# KiCad board demomatrix.kicad_pcb (continued)
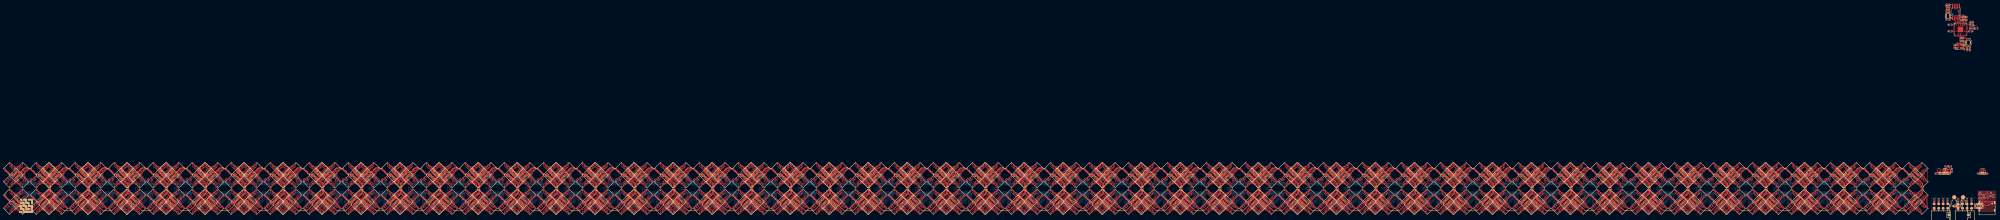
[diagram p0: board, top side]
## Routing (per net, layer and track width the routed paths; a pad name or vN(x,y) marks a point on that pad's centre or on a via; arc(x,y) is an arc through that point) (continued)
  Top w0.2: LED620.1 -403.25,1.21 v1(-403.23,1.21)
  Bottom w0.2: v1(-403.23,1.21) -401.54,1.21 -399.86,2.89 -393.39,2.89 -389.37,6.91 -389.37,9.65 -389.27,9.75 -389.27,10.46 U191.17
rgbs[3]-cathodes-cathode-500: length 19.3
  Top w0.2: LED620.3 -402.51,2.17 v1(-402.44,2.17)
  Bottom w0.2: v1(-402.44,2.17) -401.15,2.17 -400.02,3.29 -393.56,3.29 -389.97,6.88 U191.18
rgbs[3]-cathodes-cathode-501: length 17.6
  Top w0.2: LED620.5 -401.6,2.96 v1(-401.6,2.94)
  Bottom w0.2: U191.19 -390.61,6.81 -393.72,3.69 -400.19,3.69 -400.94,2.94 v1(-401.6,2.94)
rgbs[3]-cathodes-cathode-502: length 15.2
  Top w0.2: -401.43,4.48 -400.95,4 v1(-400.89,4)
  Bottom w0.2: U191.20 -391.24,6.74 -393.89,4.09 -400.8,4.09 v1(-400.89,4)
rgbs[3]-cathodes-cathode-503: length 17.3
  Top w0.2: v1(-402.38,16.92) -402.38,17.03 LED612.3
  Bottom w0.2: U191.6 -390.61,17.02 -393.88,20.29 -398,20.29 -400.2,18.09 -400.62,18.09 -400.62,18.09 -400.93,18.09 -401.19,17.83 -401.19,17.83 -401.54,17.48 -401.92,17.09 -402.21,17.09 v1(-402.38,16.92)
rgbs[3]-cathodes-cathode-504: length 16.9
  Top w0.2: LED612.5 -401.79,18.14 v1(-401.79,18.08)
  Bottom w0.2: v1(-401.79,18.08) -401.65,17.94 -401.1,18.49 -400.79,18.49 -400.7,18.49 -400.37,18.49 -398.16,20.69 -393.71,20.69 -389.97,16.95 U191.7
rgbs[3]-cathodes-cathode-505: length 16.1
  Top w0.2: -401.43,19.48 -401.04,19.09 v1(-401.04,19.09)
  Bottom w0.2: v1(-401.04,19.09) -400.84,18.89 -400.53,18.89 -398.33,21.09 -393.55,21.09 -389.34,16.89 U191.8
rgbs[3]-cathodes-cathode-506: length 4.1
  Top w0.2: LED616.1 -389.26,17.66 v1(-389.81,18.21)
  Bottom w0.2: v1(-389.81,18.21) -388.7,17.1 U191.9
rgbs[3]-cathodes-cathode-507: length 4.5
  Top w0.2: LED616.3 -389.07,18.72 v1(-389.2,18.72)
  Bottom w0.2: v1(-389.2,18.72) -388.07,17.59 U191.10
rgbs[3]-cathodes-cathode-508: length 3.2
  Top w0.2: LED616.5 -387.42,18.78 v1(-387.42,17.52)
  Bottom w0.2: v1(-387.42,17.52) -387.43,17.51 U191.11
rgbs[3]-cathodes-cathode-509: length 3.7
  Top w0.2: -386.53,19.33 -386.53,18.27 v1(-386.79,18.01)
  Bottom w0.2: v1(-386.79,18.01) -386.8,18 U191.12
rgbs[3]-cathodes-cathode-510: length 7.9
  Top w0.2: LED624.7 -386.72,4.74 v1(-385.98,4)
  Bottom w0.2: v1(-385.98,4) -386.8,4.82 U191.13
rgbs[3]-cathodes-cathode-511: length 8.7
  Top w0.2: LED624.5 -386.9,3.25 v1(-386.9,3.1)
  Bottom w0.2: U191.14 -387.43,3.64 v1(-386.9,3.1)
rgbs[3]-cathodes-cathode-512: length 17.9
  Top w0.2: LED628.1 -380.85,15.8 v1(-380.77,15.8)
  Bottom w0.2: -380.58,15.87 -380.65,15.8 ; -380.65,15.8 -380.13,16.32 -380.13,16.32 -379.78,16.67 -379.78,16.68 -379.37,17.08 -379.14,17.31 -378.79,17.66 -378.79,17.67 -378.77,17.69 -378.46,17.69 -378.37,17.69 -378.03,17.69 -375.83,19.89 -372.04,19.89 -369.24,17.09 -369.24,16.89 U196.5 ; -380.65,15.8 v1(-380.77,15.8)
rgbs[3]-cathodes-cathode-513: length 9.4
  Top w0.2: LED640.3 -366.41,2.97 v1(-365.72,2.28)
  Bottom w0.2: U196.15 -366.07,2.63 v1(-365.72,2.28)
rgbs[3]-cathodes-cathode-514: length 10.7
  Top w0.2: LED640.1 -367.26,2.17 v1(-366.36,1.27)
  Bottom w0.2: v1(-366.36,1.27) -366.7,1.61 U196.16
rgbs[3]-cathodes-cathode-515: length 21.3
  Top w0.2: LED636.1 -381.25,1.21 v1(-381.23,1.21)
  Bottom w0.2: v1(-381.23,1.21) -379.54,1.21 -377.86,2.89 -371.39,2.89 -367.37,6.91 -367.37,9.65 -367.27,9.75 -367.27,10.46 U196.17
rgbs[3]-cathodes-cathode-516: length 19.3
  Top w0.2: v1(-380.44,2.17) -380.51,2.17 LED636.3
  Bottom w0.2: v1(-380.44,2.17) -379.15,2.17 -378.02,3.29 -371.56,3.29 -367.97,6.88 U196.18
rgbs[3]-cathodes-cathode-517: length 17.6
  Top w0.2: v1(-379.6,2.94) -379.6,2.96 LED636.5
  Bottom w0.2: v1(-379.6,2.94) -378.94,2.94 -378.19,3.69 -371.72,3.69 -368.61,6.81 U196.19
rgbs[3]-cathodes-cathode-518: length 15.2
  Top w0.2: v1(-378.89,4) -378.95,4 -379.43,4.48
  Bottom w0.2: U196.20 -369.24,6.74 -371.89,4.09 -378.8,4.09 v1(-378.89,4)
rgbs[3]-cathodes-cathode-519: length 17.3
  Top w0.2: v1(-380.38,16.92) -380.38,17.03 LED628.3
  Bottom w0.2: U196.6 -368.61,17.02 -371.88,20.29 -376,20.29 -378.2,18.09 -378.62,18.09 -378.62,18.09 -378.93,18.09 -379.19,17.83 -379.19,17.83 -379.54,17.48 -379.92,17.09 -380.21,17.09 v1(-380.38,16.92)
rgbs[3]-cathodes-cathode-520: length 16.9
  Top w0.2: LED628.5 -379.79,18.14 v1(-379.79,18.08)
  Bottom w0.2: v1(-379.79,18.08) -379.65,17.94 -379.1,18.49 -378.79,18.49 -378.7,18.49 -378.37,18.49 -376.16,20.69 -371.71,20.69 -367.97,16.95 U196.7
rgbs[3]-cathodes-cathode-521: length 16.1
  Top w0.2: -379.43,19.48 -379.04,19.09 v1(-379.04,19.09)
  Bottom w0.2: v1(-379.04,19.09) -378.84,18.89 -378.53,18.89 -376.33,21.09 -371.55,21.09 -367.34,16.89 U196.8
rgbs[3]-cathodes-cathode-522: length 4.1
  Top w0.2: v1(-367.81,18.21) -367.26,17.66 LED632.1
  Bottom w0.2: v1(-367.81,18.21) -366.7,17.1 U196.9
rgbs[3]-cathodes-cathode-523: length 4.5
  Top w0.2: v1(-367.2,18.72) -367.07,18.72 LED632.3
  Bottom w0.2: v1(-367.2,18.72) -366.07,17.59 U196.10
rgbs[3]-cathodes-cathode-524: length 3.2
  Top w0.2: v1(-365.42,17.52) -365.42,18.78 LED632.5
  Bottom w0.2: U196.11 -365.43,17.51 v1(-365.42,17.52)
rgbs[3]-cathodes-cathode-525: length 3.7
  Top w0.2: v1(-364.79,18.01) -364.53,18.27 -364.53,19.33
  Bottom w0.2: U196.12 -364.8,18 v1(-364.79,18.01)
rgbs[3]-cathodes-cathode-526: length 7.9
  Top w0.2: LED640.7 -364.72,4.74 v1(-363.98,4)
  Bottom w0.2: v1(-363.98,4) -364.8,4.82 U196.13
rgbs[3]-cathodes-cathode-527: length 8.7
  Top w0.2: LED640.5 -364.9,3.25 v1(-364.9,3.1)
  Bottom w0.2: U196.14 -365.43,3.64 v1(-364.9,3.1)
rgbs[3]-cathodes-cathode-528: length 17.9
  Top w0.2: v1(-358.77,15.8) -358.85,15.8 LED52.1
  Bottom w0.2: -358.58,15.87 -358.65,15.8 ; -358.65,15.8 -358.13,16.32 -358.13,16.32 -357.78,16.67 -357.78,16.68 -357.37,17.08 -357.14,17.31 -356.79,17.66 -356.79,17.67 -356.77,17.69 -356.46,17.69 -356.37,17.69 -356.03,17.69 -353.83,19.89 -350.04,19.89 -347.24,17.09 -347.24,16.89 U16.5 ; -358.65,15.8 v1(-358.77,15.8)
rgbs[3]-cathodes-cathode-529: length 9.4
  Top w0.2: LED64.3 -344.41,2.97 v1(-343.72,2.28)
  Bottom w0.2: v1(-343.72,2.28) -344.07,2.63 U16.15
rgbs[3]-cathodes-cathode-530: length 10.7
  Top w0.2: LED64.1 -345.26,2.17 v1(-344.36,1.27)
  Bottom w0.2: U16.16 -344.7,1.61 v1(-344.36,1.27)
rgbs[3]-cathodes-cathode-531: length 21.3
  Top w0.2: LED60.1 -359.25,1.21 v1(-359.23,1.21)
  Bottom w0.2: v1(-359.23,1.21) -357.54,1.21 -355.86,2.89 -349.39,2.89 -345.37,6.91 -345.37,9.65 -345.27,9.75 -345.27,10.46 U16.17
rgbs[3]-cathodes-cathode-532: length 19.3
  Top w0.2: LED60.3 -358.51,2.17 v1(-358.44,2.17)
  Bottom w0.2: U16.18 -345.97,6.88 -349.56,3.29 -356.02,3.29 -357.15,2.17 v1(-358.44,2.17)
rgbs[3]-cathodes-cathode-533: length 17.6
  Top w0.2: v1(-357.6,2.94) -357.6,2.96 LED60.5
  Bottom w0.2: U16.19 -346.61,6.81 -349.72,3.69 -356.19,3.69 -356.94,2.94 v1(-357.6,2.94)
rgbs[3]-cathodes-cathode-534: length 15.2
  Top w0.2: -357.43,4.48 -356.95,4 v1(-356.89,4)
  Bottom w0.2: U16.20 -347.24,6.74 -349.89,4.09 -356.8,4.09 v1(-356.89,4)
rgbs[3]-cathodes-cathode-535: length 17.3
  Top w0.2: v1(-358.38,16.92) -358.38,17.03 LED52.3
  Bottom w0.2: U16.6 -346.61,17.02 -349.88,20.29 -354,20.29 -356.2,18.09 -356.62,18.09 -356.62,18.09 -356.93,18.09 -357.19,17.83 -357.19,17.83 -357.54,17.48 -357.92,17.09 -358.21,17.09 v1(-358.38,16.92)
rgbs[3]-cathodes-cathode-536: length 16.9
  Top w0.2: LED52.5 -357.79,18.14 v1(-357.79,18.08)
  Bottom w0.2: v1(-357.79,18.08) -357.65,17.94 -357.1,18.49 -356.79,18.49 -356.7,18.49 -356.37,18.49 -354.16,20.69 -349.71,20.69 -345.97,16.95 U16.7
rgbs[3]-cathodes-cathode-537: length 16.1
  Top w0.2: -357.43,19.48 -357.04,19.09 v1(-357.04,19.09)
  Bottom w0.2: U16.8 -345.34,16.89 -349.55,21.09 -354.33,21.09 -356.53,18.89 -356.84,18.89 v1(-357.04,19.09)
rgbs[3]-cathodes-cathode-538: length 4.1
  Top w0.2: LED56.1 -345.26,17.66 v1(-345.81,18.21)
  Bottom w0.2: U16.9 -344.7,17.1 v1(-345.81,18.21)
rgbs[3]-cathodes-cathode-539: length 4.5
  Top w0.2: v1(-345.2,18.72) -345.07,18.72 LED56.3
  Bottom w0.2: v1(-345.2,18.72) -344.07,17.59 U16.10
rgbs[3]-cathodes-cathode-540: length 3.2
  Top w0.2: v1(-343.42,17.52) -343.42,18.78 LED56.5
  Bottom w0.2: v1(-343.42,17.52) -343.43,17.51 U16.11
rgbs[3]-cathodes-cathode-541: length 3.7
  Top w0.2: v1(-342.79,18.01) -342.53,18.27 -342.53,19.33
  Bottom w0.2: v1(-342.79,18.01) -342.8,18 U16.12
rgbs[3]-cathodes-cathode-542: length 7.9
  Top w0.2: LED64.7 -342.72,4.74 v1(-341.98,4)
  Bottom w0.2: U16.13 -342.8,4.82 v1(-341.98,4)
rgbs[3]-cathodes-cathode-543: length 8.7
  Top w0.2: v1(-342.9,3.1) -342.9,3.25 LED64.5
  Bottom w0.2: U16.14 -343.43,3.64 v1(-342.9,3.1)
rgbs[3]-cathodes-cathode-544: length 17.9
  Top w0.2: v1(-336.77,15.8) -336.85,15.8 LED644.1
  Bottom w0.2: -336.58,15.87 -336.65,15.8 ; -336.65,15.8 -336.13,16.32 -336.13,16.32 -335.78,16.67 -335.78,16.68 -335.37,17.08 -335.14,17.31 -334.79,17.66 -334.79,17.67 -334.77,17.69 -334.46,17.69 -334.37,17.69 -334.03,17.69 -331.83,19.89 -328.04,19.89 -325.24,17.09 -325.24,16.89 U201.5 ; -336.65,15.8 v1(-336.77,15.8)
rgbs[3]-cathodes-cathode-545: length 9.4
  Top w0.2: LED656.3 -322.41,2.97 v1(-321.72,2.28)
  Bottom w0.2: U201.15 -322.07,2.63 v1(-321.72,2.28)
rgbs[3]-cathodes-cathode-546: length 10.7
  Top w0.2: v1(-322.36,1.27) -323.26,2.17 LED656.1
  Bottom w0.2: v1(-322.36,1.27) -322.7,1.61 U201.16
rgbs[3]-cathodes-cathode-547: length 21.3
  Top w0.2: v1(-337.23,1.21) -337.25,1.21 LED652.1
  Bottom w0.2: U201.17 -323.27,10.46 -323.27,9.75 -323.37,9.65 -323.37,6.91 -327.39,2.89 -333.86,2.89 -335.54,1.21 v1(-337.23,1.21)
rgbs[3]-cathodes-cathode-548: length 19.3
  Top w0.2: LED652.3 -336.51,2.17 v1(-336.44,2.17)
  Bottom w0.2: U201.18 -323.97,6.88 -327.56,3.29 -334.02,3.29 -335.15,2.17 v1(-336.44,2.17)
rgbs[3]-cathodes-cathode-549: length 17.6
  Top w0.2: v1(-335.6,2.94) -335.6,2.96 LED652.5
  Bottom w0.2: U201.19 -324.61,6.81 -327.72,3.69 -334.19,3.69 -334.94,2.94 v1(-335.6,2.94)
rgbs[3]-cathodes-cathode-550: length 15.2
  Top w0.2: v1(-334.89,4) -334.95,4 -335.43,4.48
  Bottom w0.2: U201.20 -325.24,6.74 -327.89,4.09 -334.8,4.09 v1(-334.89,4)
rgbs[3]-cathodes-cathode-551: length 17.3
  Top w0.2: LED644.3 -336.38,17.03 v1(-336.38,16.92)
  Bottom w0.2: v1(-336.38,16.92) -336.21,17.09 -335.92,17.09 -335.54,17.48 -335.19,17.83 -335.19,17.83 -334.93,18.09 -334.62,18.09 -334.62,18.09 -334.2,18.09 -332,20.29 -327.88,20.29 -324.61,17.02 U201.6
rgbs[3]-cathodes-cathode-552: length 16.9
  Top w0.2: LED644.5 -335.79,18.14 v1(-335.79,18.08)
  Bottom w0.2: v1(-335.79,18.08) -335.65,17.94 -335.1,18.49 -334.79,18.49 -334.7,18.49 -334.37,18.49 -332.16,20.69 -327.71,20.69 -323.97,16.95 U201.7
rgbs[3]-cathodes-cathode-553: length 16.1
  Top w0.2: v1(-335.04,19.09) -335.04,19.09 -335.43,19.48
  Bottom w0.2: v1(-335.04,19.09) -334.84,18.89 -334.53,18.89 -332.33,21.09 -327.55,21.09 -323.34,16.89 U201.8
rgbs[3]-cathodes-cathode-554: length 4.1
  Top w0.2: v1(-323.81,18.21) -323.26,17.66 LED648.1
  Bottom w0.2: v1(-323.81,18.21) -322.7,17.1 U201.9
rgbs[3]-cathodes-cathode-555: length 4.5
  Top w0.2: LED648.3 -323.07,18.72 v1(-323.2,18.72)
  Bottom w0.2: U201.10 -322.07,17.59 v1(-323.2,18.72)
rgbs[3]-cathodes-cathode-556: length 3.2
  Top w0.2: LED648.5 -321.42,18.78 v1(-321.42,17.52)
  Bottom w0.2: U201.11 -321.43,17.51 v1(-321.42,17.52)
rgbs[3]-cathodes-cathode-557: length 3.7
  Top w0.2: -320.53,19.33 -320.53,18.27 v1(-320.79,18.01)
  Bottom w0.2: U201.12 -320.8,18 v1(-320.79,18.01)
rgbs[3]-cathodes-cathode-558: length 7.9
  Top w0.2: v1(-319.98,4) -320.72,4.74 LED656.7
  Bottom w0.2: v1(-319.98,4) -320.8,4.82 U201.13
rgbs[3]-cathodes-cathode-559: length 8.7
  Top w0.2: LED656.5 -320.9,3.25 v1(-320.9,3.1)
  Bottom w0.2: U201.14 -321.43,3.64 v1(-320.9,3.1)
rgbs[3]-cathodes-cathode-560: length 17.9
  Top w0.2: v1(-314.77,15.8) -314.85,15.8 LED660.1
  Bottom w0.2: -314.65,15.8 -314.13,16.32 -314.13,16.32 -313.78,16.67 -313.78,16.68 -313.37,17.08 -313.14,17.31 -312.79,17.66 -312.79,17.67 -312.77,17.69 -312.46,17.69 -312.37,17.69 -312.03,17.69 -309.83,19.89 -306.04,19.89 -303.24,17.09 -303.24,16.89 U206.5 ; -314.65,15.8 -314.58,15.87 ; -314.65,15.8 v1(-314.77,15.8)
rgbs[3]-cathodes-cathode-561: length 9.4
  Top w0.2: v1(-299.72,2.28) -300.41,2.97 LED672.3
  Bottom w0.2: U206.15 -300.07,2.63 v1(-299.72,2.28)
rgbs[3]-cathodes-cathode-562: length 10.7
  Top w0.2: v1(-300.36,1.27) -301.26,2.17 LED672.1
  Bottom w0.2: U206.16 -300.7,1.61 v1(-300.36,1.27)
rgbs[3]-cathodes-cathode-563: length 21.3
  Top w0.2: v1(-315.23,1.21) -315.25,1.21 LED668.1
  Bottom w0.2: U206.17 -301.27,10.46 -301.27,9.75 -301.37,9.65 -301.37,6.91 -305.39,2.89 -311.86,2.89 -313.54,1.21 v1(-315.23,1.21)
rgbs[3]-cathodes-cathode-564: length 19.3
  Top w0.2: v1(-314.44,2.17) -314.51,2.17 LED668.3
  Bottom w0.2: v1(-314.44,2.17) -313.15,2.17 -312.02,3.29 -305.56,3.29 -301.97,6.88 U206.18
rgbs[3]-cathodes-cathode-565: length 17.6
  Top w0.2: v1(-313.6,2.94) -313.6,2.96 LED668.5
  Bottom w0.2: U206.19 -302.61,6.81 -305.72,3.69 -312.19,3.69 -312.94,2.94 v1(-313.6,2.94)
rgbs[3]-cathodes-cathode-566: length 15.2
  Top w0.2: -313.43,4.48 -312.95,4 v1(-312.89,4)
  Bottom w0.2: U206.20 -303.24,6.74 -305.89,4.09 -312.8,4.09 v1(-312.89,4)
rgbs[3]-cathodes-cathode-567: length 17.3
  Top w0.2: v1(-314.38,16.92) -314.38,17.03 LED660.3
  Bottom w0.2: U206.6 -302.61,17.02 -305.88,20.29 -310,20.29 -312.2,18.09 -312.62,18.09 -312.62,18.09 -312.93,18.09 -313.19,17.83 -313.19,17.83 -313.54,17.48 -313.92,17.09 -314.21,17.09 v1(-314.38,16.92)
rgbs[3]-cathodes-cathode-568: length 16.9
  Top w0.2: LED660.5 -313.79,18.14 v1(-313.79,18.08)
  Bottom w0.2: v1(-313.79,18.08) -313.65,17.94 -313.1,18.49 -312.79,18.49 -312.7,18.49 -312.37,18.49 -310.16,20.69 -305.71,20.69 -301.97,16.95 U206.7
rgbs[3]-cathodes-cathode-569: length 16.1
  Top w0.2: v1(-313.04,19.09) -313.04,19.09 -313.43,19.48
  Bottom w0.2: U206.8 -301.34,16.89 -305.55,21.09 -310.33,21.09 -312.53,18.89 -312.84,18.89 v1(-313.04,19.09)
rgbs[3]-cathodes-cathode-570: length 4.1
  Top w0.2: LED664.1 -301.26,17.66 v1(-301.81,18.21)
  Bottom w0.2: U206.9 -300.7,17.1 v1(-301.81,18.21)
rgbs[3]-cathodes-cathode-571: length 4.5
  Top w0.2: LED664.3 -301.07,18.72 v1(-301.2,18.72)
  Bottom w0.2: U206.10 -300.07,17.59 v1(-301.2,18.72)
rgbs[3]-cathodes-cathode-572: length 3.2
  Top w0.2: v1(-299.42,17.52) -299.42,18.78 LED664.5
  Bottom w0.2: U206.11 -299.43,17.51 v1(-299.42,17.52)
rgbs[3]-cathodes-cathode-573: length 3.7
  Top w0.2: v1(-298.79,18.01) -298.53,18.27 -298.53,19.33
  Bottom w0.2: U206.12 -298.8,18 v1(-298.79,18.01)
rgbs[3]-cathodes-cathode-574: length 7.9
  Top w0.2: LED672.7 -298.72,4.74 v1(-297.98,4)
  Bottom w0.2: v1(-297.98,4) -298.8,4.82 U206.13
rgbs[3]-cathodes-cathode-575: length 8.7
  Top w0.2: v1(-298.9,3.1) -298.9,3.25 LED672.5
  Bottom w0.2: v1(-298.9,3.1) -299.43,3.64 U206.14
rgbs[3]-cathodes-cathode-576: length 17.9
  Top w0.2: v1(-292.77,15.8) -292.85,15.8 LED676.1
  Bottom w0.2: -292.65,15.8 -292.13,16.32 -292.13,16.32 -291.78,16.67 -291.78,16.68 -291.37,17.08 -291.14,17.31 -290.79,17.66 -290.79,17.67 -290.77,17.69 -290.46,17.69 -290.37,17.69 -290.03,17.69 -287.83,19.89 -284.04,19.89 -281.24,17.09 -281.24,16.89 U211.5 ; -292.65,15.8 -292.58,15.87 ; -292.65,15.8 v1(-292.77,15.8)
rgbs[3]-cathodes-cathode-577: length 9.4
  Top w0.2: LED688.3 -278.41,2.97 v1(-277.72,2.28)
  Bottom w0.2: v1(-277.72,2.28) -278.07,2.63 U211.15
rgbs[3]-cathodes-cathode-578: length 10.7
  Top w0.2: v1(-278.36,1.27) -279.26,2.17 LED688.1
  Bottom w0.2: U211.16 -278.7,1.61 v1(-278.36,1.27)
rgbs[3]-cathodes-cathode-579: length 21.3
  Top w0.2: LED684.1 -293.25,1.21 v1(-293.23,1.21)
  Bottom w0.2: U211.17 -279.27,10.46 -279.27,9.75 -279.37,9.65 -279.37,6.91 -283.39,2.89 -289.86,2.89 -291.54,1.21 v1(-293.23,1.21)
rgbs[3]-cathodes-cathode-580: length 19.3
  Top w0.2: LED684.3 -292.51,2.17 v1(-292.44,2.17)
  Bottom w0.2: U211.18 -279.97,6.88 -283.56,3.29 -290.02,3.29 -291.15,2.17 v1(-292.44,2.17)
rgbs[3]-cathodes-cathode-581: length 17.6
  Top w0.2: v1(-291.6,2.94) -291.6,2.96 LED684.5
  Bottom w0.2: U211.19 -280.61,6.81 -283.72,3.69 -290.19,3.69 -290.94,2.94 v1(-291.6,2.94)
rgbs[3]-cathodes-cathode-582: length 15.2
  Top w0.2: -291.43,4.48 -290.95,4 v1(-290.89,4)
  Bottom w0.2: U211.20 -281.24,6.74 -283.89,4.09 -290.8,4.09 v1(-290.89,4)
rgbs[3]-cathodes-cathode-583: length 17.3
  Top w0.2: v1(-292.38,16.92) -292.38,17.03 LED676.3
  Bottom w0.2: U211.6 -280.61,17.02 -283.88,20.29 -288,20.29 -290.2,18.09 -290.62,18.09 -290.62,18.09 -290.93,18.09 -291.19,17.83 -291.19,17.83 -291.54,17.48 -291.92,17.09 -292.21,17.09 v1(-292.38,16.92)
rgbs[3]-cathodes-cathode-584: length 16.9
  Top w0.2: v1(-291.79,18.08) -291.79,18.14 LED676.5
  Bottom w0.2: v1(-291.79,18.08) -291.65,17.94 -291.1,18.49 -290.79,18.49 -290.7,18.49 -290.37,18.49 -288.16,20.69 -283.71,20.69 -279.97,16.95 U211.7
rgbs[3]-cathodes-cathode-585: length 16.1
  Top w0.2: -291.43,19.48 -291.04,19.09 v1(-291.04,19.09)
  Bottom w0.2: U211.8 -279.34,16.89 -283.55,21.09 -288.33,21.09 -290.53,18.89 -290.84,18.89 v1(-291.04,19.09)
rgbs[3]-cathodes-cathode-586: length 4.1
  Top w0.2: LED680.1 -279.26,17.66 v1(-279.81,18.21)
  Bottom w0.2: U211.9 -278.7,17.1 v1(-279.81,18.21)
rgbs[3]-cathodes-cathode-587: length 4.5
  Top w0.2: LED680.3 -279.07,18.72 v1(-279.2,18.72)
  Bottom w0.2: U211.10 -278.07,17.59 v1(-279.2,18.72)
rgbs[3]-cathodes-cathode-588: length 3.2
  Top w0.2: v1(-277.42,17.52) -277.42,18.78 LED680.5
  Bottom w0.2: U211.11 -277.43,17.51 v1(-277.42,17.52)
rgbs[3]-cathodes-cathode-589: length 3.7
  Top w0.2: -276.53,19.33 -276.53,18.27 v1(-276.79,18.01)
  Bottom w0.2: U211.12 -276.8,18 v1(-276.79,18.01)
rgbs[3]-cathodes-cathode-590: length 7.9
  Top w0.2: LED688.7 -276.72,4.74 v1(-275.98,4)
  Bottom w0.2: U211.13 -276.8,4.82 v1(-275.98,4)
rgbs[3]-cathodes-cathode-591: length 8.7
  Top w0.2: LED688.5 -276.9,3.25 v1(-276.9,3.1)
  Bottom w0.2: U211.14 -277.43,3.64 v1(-276.9,3.1)
rgbs[3]-cathodes-cathode-592: length 17.9
  Top w0.2: LED692.1 -270.85,15.8 v1(-270.77,15.8)
  Bottom w0.2: U216.5 -259.24,16.89 -259.24,17.09 -262.04,19.89 -265.83,19.89 -268.03,17.69 -268.46,17.69 -268.77,17.69 -268.79,17.67 -268.79,17.66 -269.37,17.08 -269.52,16.93 -269.78,16.68 -269.78,16.67 -270.13,16.32 -270.13,16.32 -270.65,15.8 ; -270.58,15.87 -270.65,15.8 ; -270.65,15.8 v1(-270.77,15.8)
rgbs[3]-cathodes-cathode-593: length 9.4
  Top w0.2: LED704.3 -256.41,2.97 v1(-255.72,2.28)
  Bottom w0.2: v1(-255.72,2.28) -256.07,2.63 U216.15
rgbs[3]-cathodes-cathode-594: length 10.7
  Top w0.2: LED704.1 -257.26,2.17 v1(-256.36,1.27)
  Bottom w0.2: v1(-256.36,1.27) -256.7,1.61 U216.16
rgbs[3]-cathodes-cathode-595: length 21.3
  Top w0.2: v1(-271.23,1.21) -271.25,1.21 LED700.1
  Bottom w0.2: U216.17 -257.27,10.46 -257.27,9.75 -257.37,9.65 -257.37,6.91 -261.39,2.89 -267.86,2.89 -269.54,1.21 v1(-271.23,1.21)
rgbs[3]-cathodes-cathode-596: length 19.3
  Top w0.2: LED700.3 -270.51,2.17 v1(-270.44,2.17)
  Bottom w0.2: v1(-270.44,2.17) -269.15,2.17 -268.02,3.29 -261.56,3.29 -257.97,6.88 U216.18
rgbs[3]-cathodes-cathode-597: length 17.6
  Top w0.2: v1(-269.6,2.94) -269.6,2.96 LED700.5
  Bottom w0.2: U216.19 -258.61,6.81 -261.72,3.69 -268.19,3.69 -268.94,2.94 v1(-269.6,2.94)
rgbs[3]-cathodes-cathode-598: length 15.2
  Top w0.2: v1(-268.89,4) -268.95,4 -269.43,4.48
  Bottom w0.2: U216.20 -259.24,6.74 -261.89,4.09 -268.8,4.09 v1(-268.89,4)
rgbs[3]-cathodes-cathode-599: length 17.3
  Top w0.2: LED692.3 -270.38,17.03 v1(-270.38,16.92)
  Bottom w0.2: U216.6 -258.61,17.02 -261.88,20.29 -266,20.29 -268.2,18.09 -268.62,18.09 -268.62,18.09 -268.93,18.09 -269.19,17.83 -269.19,17.83 -269.54,17.48 -269.92,17.09 -270.21,17.09 v1(-270.38,16.92)
rgbs[3]-cathodes-cathode-600: length 16.9
  Top w0.2: v1(-269.79,18.08) -269.79,18.14 LED692.5
  Bottom w0.2: v1(-269.79,18.08) -269.65,17.94 -269.1,18.49 -268.79,18.49 -268.7,18.49 -268.37,18.49 -266.16,20.69 -261.71,20.69 -257.97,16.95 U216.7
rgbs[3]-cathodes-cathode-601: length 16.1
  Top w0.2: v1(-269.04,19.09) -269.04,19.09 -269.43,19.48
  Bottom w0.2: U216.8 -257.34,16.89 -261.55,21.09 -266.33,21.09 -268.53,18.89 -268.84,18.89 v1(-269.04,19.09)
rgbs[3]-cathodes-cathode-602: length 4.1
  Top w0.2: v1(-257.81,18.21) -257.26,17.66 LED696.1
  Bottom w0.2: U216.9 -256.7,17.1 v1(-257.81,18.21)
rgbs[3]-cathodes-cathode-603: length 4.5
  Top w0.2: LED696.3 -257.07,18.72 v1(-257.2,18.72)
  Bottom w0.2: v1(-257.2,18.72) -256.07,17.59 U216.10
rgbs[3]-cathodes-cathode-604: length 3.2
  Top w0.2: v1(-255.42,17.52) -255.42,18.78 LED696.5
  Bottom w0.2: v1(-255.42,17.52) -255.43,17.51 U216.11
rgbs[3]-cathodes-cathode-605: length 3.7
  Top w0.2: v1(-254.79,18.01) -254.53,18.27 -254.53,19.33
  Bottom w0.2: U216.12 -254.8,18 v1(-254.79,18.01)
rgbs[3]-cathodes-cathode-606: length 7.9
  Top w0.2: v1(-253.98,4) -254.72,4.74 LED704.7
  Bottom w0.2: v1(-253.98,4) -254.8,4.82 U216.13
rgbs[3]-cathodes-cathode-607: length 8.7
  Top w0.2: v1(-254.9,3.1) -254.9,3.25 LED704.5
  Bottom w0.2: v1(-254.9,3.1) -255.43,3.64 U216.14
rgbs[3]-cathodes-cathode-608: length 17.9
  Top w0.2: v1(-248.77,15.8) -248.85,15.8 LED708.1
  Bottom w0.2: -248.65,15.8 -248.13,16.32 -248.13,16.32 -247.78,16.67 -247.78,16.68 -247.37,17.08 -247.14,17.31 -246.79,17.66 -246.79,17.67 -246.77,17.69 -246.46,17.69 -246.37,17.69 -246.03,17.69 -243.83,19.89 -240.04,19.89 -237.24,17.09 -237.24,16.89 U221.5 ; -248.65,15.8 v1(-248.77,15.8) ; -248.65,15.8 -248.58,15.87
rgbs[3]-cathodes-cathode-609: length 9.4
  Top w0.2: v1(-233.72,2.28) -234.41,2.97 LED720.3
  Bottom w0.2: U221.15 -234.07,2.63 v1(-233.72,2.28)
rgbs[3]-cathodes-cathode-610: length 10.7
  Top w0.2: v1(-234.36,1.27) -235.26,2.17 LED720.1
  Bottom w0.2: U221.16 -234.7,1.61 v1(-234.36,1.27)
rgbs[3]-cathodes-cathode-611: length 21.3
  Top w0.2: v1(-249.23,1.21) -249.25,1.21 LED716.1
  Bottom w0.2: U221.17 -235.27,10.46 -235.27,9.75 -235.37,9.65 -235.37,6.91 -239.39,2.89 -245.86,2.89 -247.54,1.21 v1(-249.23,1.21)
rgbs[3]-cathodes-cathode-612: length 19.3
  Top w0.2: LED716.3 -248.51,2.17 v1(-248.44,2.17)
  Bottom w0.2: U221.18 -235.97,6.88 -239.56,3.29 -246.02,3.29 -247.15,2.17 v1(-248.44,2.17)
rgbs[3]-cathodes-cathode-613: length 17.6
  Top w0.2: LED716.5 -247.6,2.96 v1(-247.6,2.94)
  Bottom w0.2: U221.19 -236.61,6.81 -239.72,3.69 -246.19,3.69 -246.94,2.94 v1(-247.6,2.94)
rgbs[3]-cathodes-cathode-614: length 15.2
  Top w0.2: -247.43,4.48 -246.95,4 v1(-246.89,4)
  Bottom w0.2: v1(-246.89,4) -246.8,4.09 -239.89,4.09 -237.24,6.74 U221.20
rgbs[3]-cathodes-cathode-615: length 17.3
  Top w0.2: LED708.3 -248.38,17.03 v1(-248.38,16.92)
  Bottom w0.2: v1(-248.38,16.92) -248.21,17.09 -247.92,17.09 -247.54,17.48 -247.19,17.83 -247.19,17.83 -246.93,18.09 -246.62,18.09 -246.62,18.09 -246.2,18.09 -244,20.29 -239.88,20.29 -236.61,17.02 U221.6
rgbs[3]-cathodes-cathode-616: length 16.9
  Top w0.2: LED708.5 -247.79,18.14 v1(-247.79,18.08)
  Bottom w0.2: v1(-247.79,18.08) -247.65,17.94 -247.1,18.49 -246.79,18.49 -246.7,18.49 -246.37,18.49 -244.16,20.69 -239.71,20.69 -235.97,16.95 U221.7
rgbs[3]-cathodes-cathode-617: length 16.1
  Top w0.2: -247.43,19.48 -247.04,19.09 v1(-247.04,19.09)
  Bottom w0.2: U221.8 -235.34,16.89 -239.55,21.09 -244.33,21.09 -246.53,18.89 -246.84,18.89 v1(-247.04,19.09)
rgbs[3]-cathodes-cathode-618: length 4.1
  Top w0.2: v1(-235.81,18.21) -235.26,17.66 LED712.1
  Bottom w0.2: v1(-235.81,18.21) -234.7,17.1 U221.9
rgbs[3]-cathodes-cathode-619: length 4.5
  Top w0.2: v1(-235.2,18.72) -235.07,18.72 LED712.3
  Bottom w0.2: U221.10 -234.07,17.59 v1(-235.2,18.72)
rgbs[3]-cathodes-cathode-620: length 3.2
  Top w0.2: LED712.5 -233.42,18.78 v1(-233.42,17.52)
  Bottom w0.2: v1(-233.42,17.52) -233.43,17.51 U221.11
rgbs[3]-cathodes-cathode-621: length 3.7
  Top w0.2: -232.53,19.33 -232.53,18.27 v1(-232.79,18.01)
  Bottom w0.2: U221.12 -232.8,18 v1(-232.79,18.01)
rgbs[3]-cathodes-cathode-622: length 7.9
  Top w0.2: v1(-231.98,4) -232.72,4.74 LED720.7
  Bottom w0.2: U221.13 -232.8,4.82 v1(-231.98,4)
rgbs[3]-cathodes-cathode-623: length 8.7
  Top w0.2: v1(-232.9,3.1) -232.9,3.25 LED720.5
  Bottom w0.2: U221.14 -233.43,3.64 v1(-232.9,3.1)
rgbs[3]-cathodes-cathode-624: length 17.9
  Top w0.2: LED724.1 -226.85,15.8 v1(-226.77,15.8)
  Bottom w0.2: U226.5 -215.24,16.89 -215.24,17.09 -218.04,19.89 -221.83,19.89 -224.03,17.69 -224.46,17.69 -224.77,17.69 -224.79,17.67 -224.79,17.66 -225.37,17.08 -225.52,16.93 -225.78,16.68 -225.78,16.67 -226.13,16.32 -226.13,16.32 -226.65,15.8 ; -226.65,15.8 -226.58,15.87 ; -226.65,15.8 v1(-226.77,15.8)
rgbs[3]-cathodes-cathode-625: length 9.4
  Top w0.2: LED736.3 -212.41,2.97 v1(-211.72,2.28)
  Bottom w0.2: U226.15 -212.07,2.63 v1(-211.72,2.28)
rgbs[3]-cathodes-cathode-626: length 10.7
  Top w0.2: LED736.1 -213.26,2.17 v1(-212.36,1.27)
  Bottom w0.2: U226.16 -212.7,1.61 v1(-212.36,1.27)
rgbs[3]-cathodes-cathode-627: length 21.3
  Top w0.2: LED732.1 -227.25,1.21 v1(-227.23,1.21)
  Bottom w0.2: v1(-227.23,1.21) -225.54,1.21 -223.86,2.89 -217.39,2.89 -213.37,6.91 -213.37,9.65 -213.27,9.75 -213.27,10.46 U226.17
rgbs[3]-cathodes-cathode-628: length 19.3
  Top w0.2: v1(-226.44,2.17) -226.51,2.17 LED732.3
  Bottom w0.2: v1(-226.44,2.17) -225.15,2.17 -224.02,3.29 -217.56,3.29 -213.97,6.88 U226.18
